# Allegro board 6089-103-RevB_76.brd (continued)
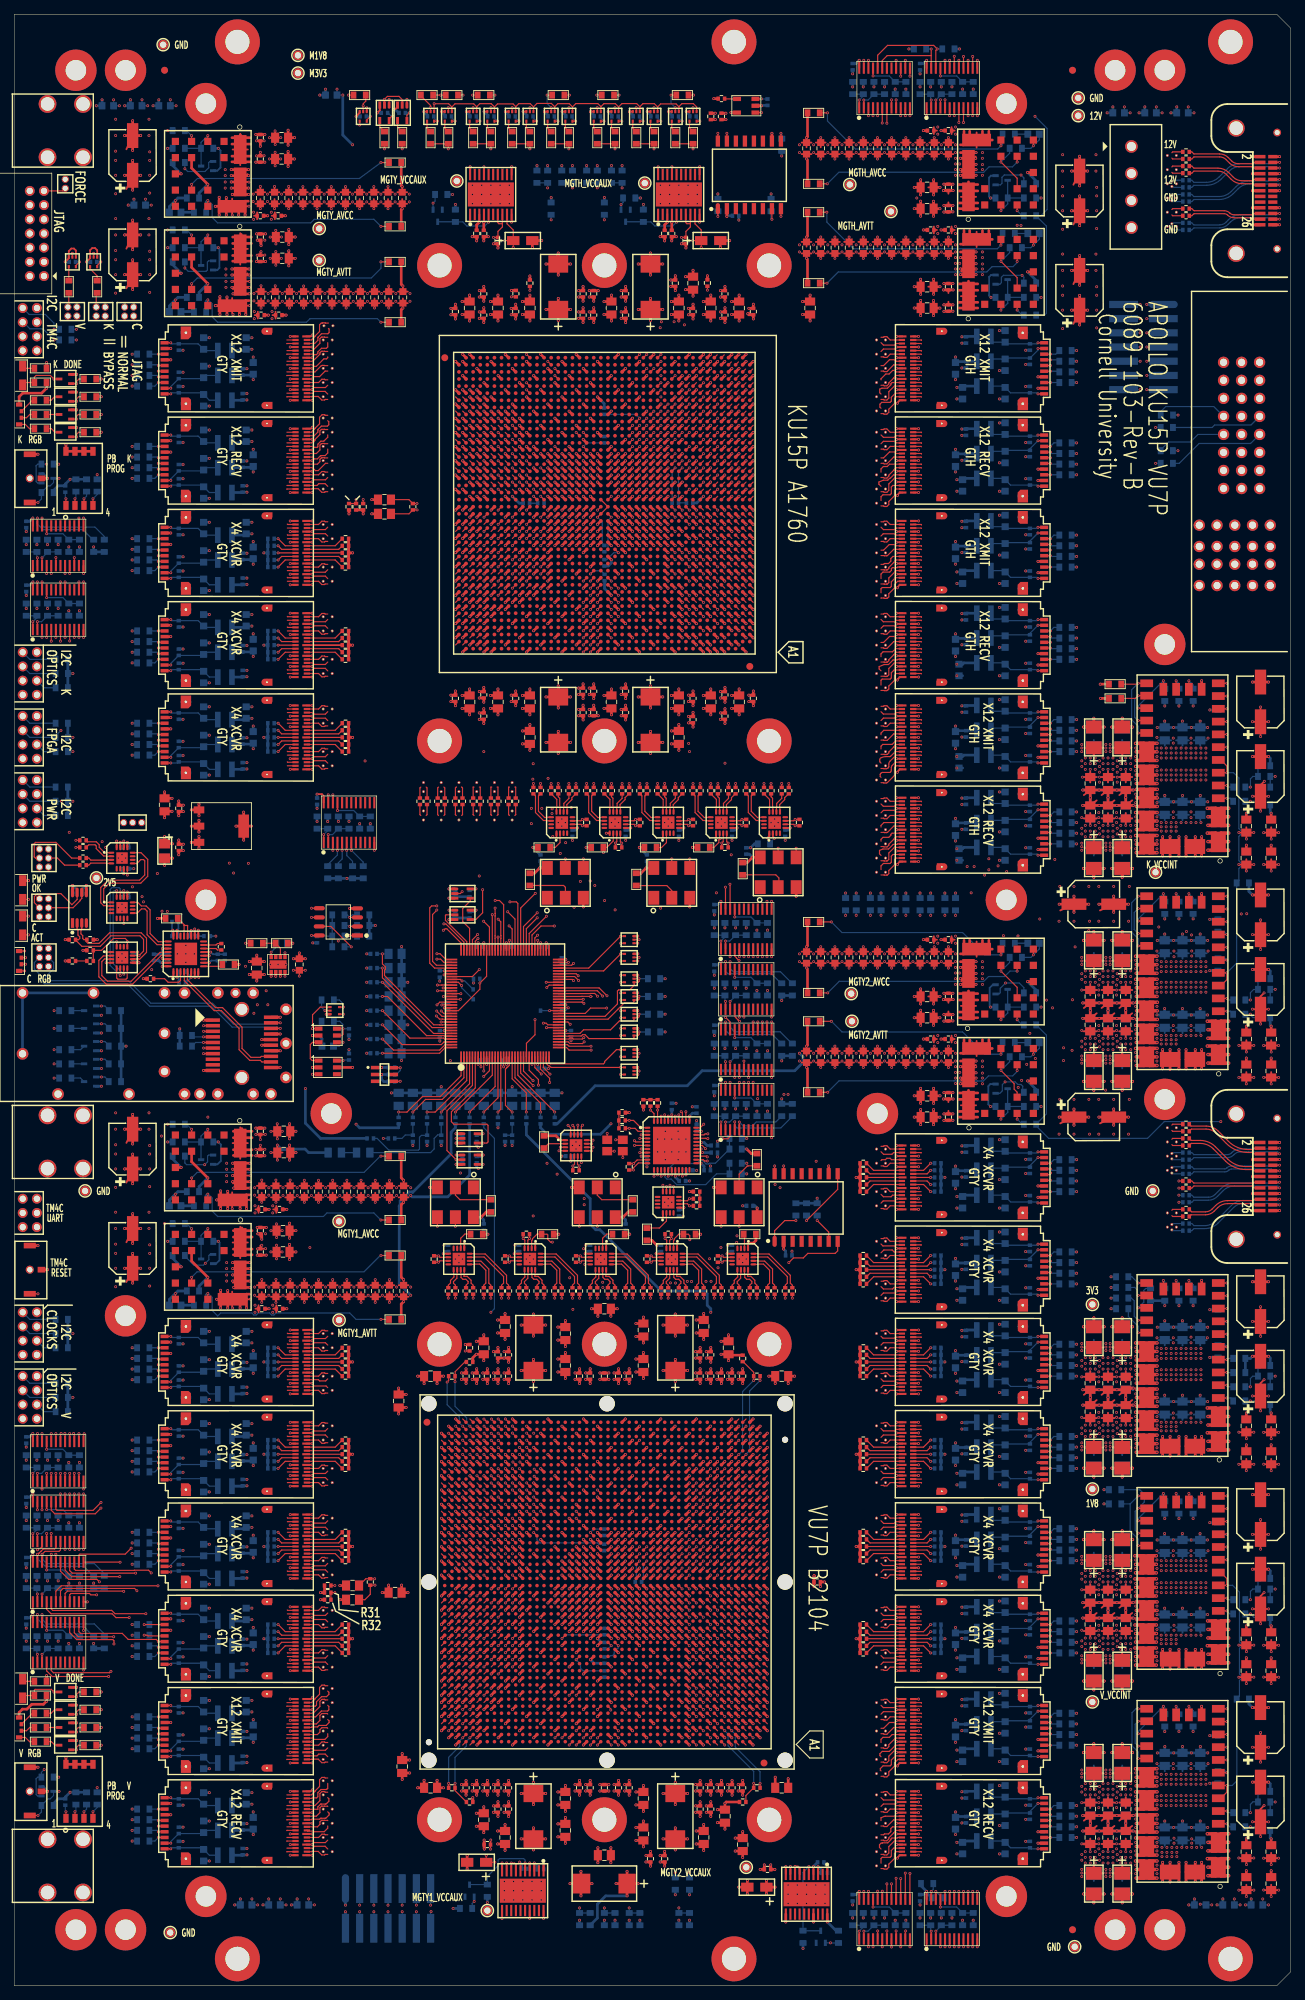
[diagram p0: board, top side]
## Routing (per net, layer and track width the routed paths; a pad name or vN(x,y) marks a point on that pad's centre or on a via; arc(x,y) is an arc through that point) (continued)
; U13.27 34.45,124.89 ; U13.27 33.69,126.65 ; 44.84,18.52 VA51.4 ; VA51.4 45.25,19.09 ; VA51.4 45.16,18.58 ; VA51.4 45.02,19.31 ; VA51.4 45.25,18.71 ; VA51.4 45.16,19.22 ; VA51.4 45.22,18.9 ; VA51.4 44.84,19.28 ; 163.84,108.9 163.84,109.28 ; 163.84,108.9 164.25,108.71 ; 163.84,108.9 164.16,108.58 ; 163.84,108.9 164.02,109.31 ; 163.84,108.9 164.25,109.09 ; 163.84,108.9 164.16,109.22 ; 163.84,108.9 163.84,108.52 ; 163.84,108.9 164.22,108.9 ; 43.38,83.49 43.56,83.9 ; 43.56,83.9 43.18,83.9 ; 43.56,83.9 43.15,83.71 ; 43.56,83.9 43.56,83.52 ; 43.56,83.9 43.24,84.22 ; 43.56,83.9 43.56,84.28 ; 43.56,83.9 43.15,84.09 ; 43.56,83.9 43.24,83.58 ; 121.18,24.9 VA132.4 ; VA132.4 121.24,25.22 ; VA132.4 121.56,24.52 ; VA132.4 121.56,25.28 ; VA132.4 121.38,24.49 ; VA132.4 121.15,25.09 ; VA132.4 121.24,24.58 ; VA132.4 121.15,24.71 ; VA5.4 45.16,224.22 ; VA5.4 45.22,223.9 ; VA5.4 44.84,224.28 ; VA5.4 45.25,223.71 ; VA5.4 44.84,223.52 ; VA5.4 45.25,224.09 ; VA5.4 45.16,223.58 ; VA5.4 45.02,224.31 ; VA6.4 45.25,220.71 ; VA6.4 44.84,220.52 ; VA6.4 45.02,221.31 ; VA6.4 45.25,221.09 ; VA6.4 45.22,220.9 ; VA6.4 44.84,221.28 ; VA6.4 45.16,220.58 ; VA6.4 45.16,221.22 ; VA34.3 45.25,59.71 ; VA34.3 45.25,60.09 ; VA34.3 44.84,60.28 ; VA34.3 45.16,60.22 ; VA34.3 45.22,59.9 ; VA34.3 45.16,59.58 ; VA34.3 45.02,60.31 ; VA34.3 44.84,59.52 ; J6.1 1.2,111.78 ; J6.1 1.87,111.57 ; J6.1 2.08,110.9 ; J6.1 1.87,110.23 ; J6.1 2.07,110.52 ; J6.1 1.2,110.02 ; J6.1 2.07,111.28 ; J6.1 1.58,111.77 ; 23.49,80.62 U26.G1 ; U26.G1 23.81,78.97 ; U26.G1 23.49,79.18 ; U26.G1 24.93,80.62 ; U26.G1 24.93,79.18 ; U26.G1 24.21,80.84 ; U26.G1 25.15,79.9 ; U26.G1 24.21,78.96 ; 121.38,16.49 VA136.4 ; VA136.4 121.56,17.28 ; VA136.4 121.24,16.58 ; VA136.4 121.56,16.52 ; VA136.4 121.15,16.71 ; VA136.4 121.24,17.22 ; VA136.4 121.15,17.09 ; VA136.4 121.18,16.9 ; J1.3 4.2,243.78 ; J1.3 4.87,243.57 ; J1.3 4.2,242.02 ; J1.3 3.53,242.23 ; J1.3 4.87,242.23 ; J1.3 3.53,243.57 ; J1.3 3.32,242.9 ; J1.3 5.08,242.9 ; VA73.3 122.83,215.28 ; VA73.3 122.83,214.52 ; VA73.3 123.22,214.9 ; VA73.3 123.16,215.22 ; VA73.3 123.25,214.71 ; VA73.3 123.02,215.31 ; VA73.3 123.16,214.58 ; VA73.3 123.25,215.09 ; 121.56,31.52 VA129.4 ; VA129.4 121.15,31.71 ; VA129.4 121.24,32.22 ; VA129.4 121.56,32.28 ; VA129.4 121.24,31.58 ; VA129.4 121.38,31.49 ; VA129.4 121.15,32.09 ; VA129.4 121.18,31.9 ; 163.84,257.9 163.84,258.28 ; 163.84,257.9 164.16,257.58 ; 163.84,257.9 164.25,258.09 ; 163.84,257.9 164.16,258.22 ; 163.84,257.9 164.22,257.9 ; 163.84,257.9 164.02,258.31 ; 163.84,257.9 163.84,257.52 ; 163.84,257.9 164.25,257.71 ; VA82.3 123.16,195.58 ; VA82.3 123.25,195.71 ; VA82.3 122.83,196.28 ; VA82.3 122.83,195.52 ; VA82.3 123.16,196.22 ; VA82.3 123.25,196.09 ; VA82.3 123.22,195.9 ; VA82.3 123.02,196.31 ; 121.15,204.09 VA78.4 ; VA78.4 121.56,203.52 ; VA78.4 121.38,203.49 ; VA78.4 121.24,203.58 ; VA78.4 121.24,204.22 ; VA78.4 121.18,203.9 ; VA78.4 121.56,204.28 ; VA78.4 121.15,203.71 ; 121.15,103.09 VA106.3 ; VA106.3 121.56,103.28 ; VA106.3 121.38,102.49 ; VA106.3 121.24,102.58 ; VA106.3 121.24,103.22 ; VA106.3 121.18,102.9 ; VA106.3 121.15,102.71 ; VA106.3 121.56,102.52 ; VA107.3 123.25,99.09 ; VA107.3 122.83,98.52 ; VA107.3 123.16,98.58 ; VA107.3 123.02,99.31 ; VA107.3 123.25,98.71 ; VA107.3 123.22,98.9 ; VA107.3 122.83,99.28 ; VA107.3 123.16,99.22 ; VA21.4 45.25,178.09 ; VA21.4 45.22,177.9 ; VA21.4 44.84,178.28 ; VA21.4 45.16,178.22 ; VA21.4 45.02,178.31 ; VA21.4 45.16,177.58 ; VA21.4 45.25,177.71 ; VA21.4 44.84,177.52 ; 141.47,194.62 U107.G2 ; U107.G2 141.79,192.97 ; U107.G2 142.91,194.62 ; U107.G2 141.25,193.9 ; U107.G2 142.91,193.18 ; U107.G2 141.47,193.18 ; U107.G2 142.19,194.84 ; U107.G2 142.19,192.96 ; VA124.3 123.25,44.71 ; VA124.3 122.83,44.52 ; VA124.3 122.83,45.28 ; VA124.3 123.16,45.22 ; VA124.3 123.02,45.31 ; VA124.3 123.16,44.58 ; VA124.3 123.22,44.9 ; VA124.3 123.25,45.09 ; 162.56,255.52 VA138.4 ; VA138.4 162.15,255.71 ; VA138.4 162.15,256.09 ; VA138.4 162.24,256.22 ; VA138.4 162.38,255.49 ; VA138.4 162.24,255.58 ; VA138.4 162.18,255.9 ; VA138.4 162.56,256.28 ; VA132.3 123.16,24.58 ; VA132.3 123.22,24.9 ; VA132.3 123.25,25.09 ; VA132.3 123.16,25.22 ; VA132.3 123.25,24.71 ; VA132.3 123.02,25.31 ; VA132.3 122.83,25.28 ; VA132.3 122.83,24.52 ; 141.25,108.9 U110.G1 ; U110.G1 142.91,108.18 ; U110.G1 142.19,109.84 ; U110.G1 141.79,107.97 ; U110.G1 142.19,107.96 ; U110.G1 141.47,108.18 ; U110.G1 142.91,109.62 ; U110.G1 141.47,109.62 ; 163.84,106.9 164.25,107.09 ; 163.84,106.9 164.22,106.9 ; 163.84,106.9 163.84,107.28 ; 163.84,106.9 164.02,107.31 ; 163.84,106.9 164.25,106.71 ; 163.84,106.9 164.16,107.22 ; 163.84,106.9 164.16,106.58 ; 163.84,106.9 163.84,106.52 ; VA18.3 45.25,186.71 ; VA18.3 45.25,187.09 ; VA18.3 45.16,186.58 ; VA18.3 44.84,186.52 ; VA18.3 45.16,187.22 ; VA18.3 44.84,187.28 ; VA18.3 45.22,186.9 ; VA18.3 45.02,187.31 ; P1.P2-4 175.31,205.06 ; P1.P2-4 174.57,206.78 ; P1.P2-4 173.83,206.54 ; P1.P2-4 175.31,206.54 ; P1.P2-4 173.59,205.8 ; P1.P2-4 175.55,205.8 ; P1.P2-4 173.83,205.06 ; P1.P2-4 174.57,204.82 ; 141.47,79.18 U113.G2 ; U113.G2 142.91,80.62 ; U113.G2 141.79,78.97 ; U113.G2 142.19,78.96 ; U113.G2 141.25,79.9 ; U113.G2 142.91,79.18 ; U113.G2 142.19,80.84 ; U113.G2 141.47,80.62 ; 2.32,172.9 J4.8 ; J4.8 3.2,173.78 ; J4.8 4.08,172.9 ; J4.8 2.53,173.57 ; J4.8 3.87,173.57 ; J4.8 3.87,172.23 ; J4.8 3.2,172.02 ; J4.8 2.53,172.23 ; 43.24,47.22 43.56,46.9 ; 43.56,46.9 43.38,46.49 ; 43.56,46.9 43.24,46.58 ; 43.56,46.9 43.15,46.71 ; 43.56,46.9 43.18,46.9 ; 43.56,46.9 43.15,47.09 ; 43.56,46.9 43.56,46.52 ; 43.56,46.9 43.56,47.28 ; VA106.4 123.25,103.09 ; VA106.4 123.22,102.9 ; VA106.4 123.16,102.58 ; VA106.4 122.83,102.52 ; VA106.4 123.02,103.31 ; VA106.4 122.83,103.28 ; VA106.4 123.25,102.71 ; VA106.4 123.16,103.22 ; VA11.4 45.02,211.31 ; VA11.4 44.84,211.28 ; VA11.4 45.25,211.09 ; VA11.4 45.22,210.9 ; VA11.4 44.84,210.52 ; VA11.4 45.16,210.58 ; VA11.4 45.25,210.71 ; VA11.4 45.16,211.22 ; 43.15,215.09 43.56,214.9 ; 43.56,214.9 43.56,214.52 ; 43.56,214.9 43.24,214.58 ; 43.56,214.9 43.38,214.49 ; 43.56,214.9 43.15,214.71 ; 43.56,214.9 43.56,215.28 ; 43.56,214.9 43.18,214.9 ; 43.56,214.9 43.24,215.22 ; VA72.3 123.16,216.58 ; VA72.3 123.16,217.22 ; VA72.3 123.25,216.71 ; VA72.3 122.83,216.52 ; VA72.3 122.83,217.28 ; VA72.3 123.22,216.9 ; VA72.3 123.02,217.31 ; VA72.3 123.25,217.09 ; 23.25,126.41 U13.30 ; U13.30 23.01,125.65 ; U13.30 25.02,125.65 ; U13.30 24.01,126.65 ; U13.30 24.77,126.41 ; U13.30 23.25,124.89 ; U13.30 24.01,124.65 ; U13.30 24.77,124.89 ; VA93.3 123.16,171.58 ; VA93.3 122.83,171.52 ; VA93.3 123.25,172.09 ; VA93.3 123.02,172.31 ; VA93.3 123.22,171.9 ; VA93.3 123.16,172.22 ; VA93.3 123.25,171.71 ; VA93.3 122.83,172.28 ; 24.21,208.96 U21.G2 ; U21.G2 25.15,209.9 ; U21.G2 23.49,209.18 ; U21.G2 23.49,210.62 ; U21.G2 24.21,210.84 ; U21.G2 24.93,209.18 ; U21.G2 24.93,210.62 ; U21.G2 23.81,208.97 ; 23.01,139.9 U13.39 ; U13.39 23.25,140.66 ; U13.39 24.77,140.66 ; U13.39 25.02,139.9 ; U13.39 24.01,140.9 ; U13.39 24.77,139.14 ; U13.39 24.01,138.9 ; U13.39 23.25,139.14 ; VA125.3 123.25,39.71 ; VA125.3 123.02,40.31 ; VA125.3 122.83,40.28 ; VA125.3 123.16,40.22 ; VA125.3 123.25,40.09 ; VA125.3 122.83,39.52 ; VA125.3 123.22,39.9 ; VA125.3 123.16,39.58 ; 121.24,213.22 VA74.4 ; VA74.4 121.15,213.09 ; VA74.4 121.15,212.71 ; VA74.4 121.18,212.9 ; VA74.4 121.24,212.58 ; VA74.4 121.56,213.28 ; VA74.4 121.38,212.49 ; VA74.4 121.56,212.52 ; 20.52,139.23 U13.38 ; U13.38 22.07,139.9 ; U13.38 20.52,140.57 ; U13.38 21.86,140.57 ; U13.38 21.86,139.23 ; U13.38 21.19,140.78 ; U13.38 20.32,139.9 ; U13.38 21.19,139.02 ; P1.9 173.77,211.71 ; P1.9 174.01,210.97 ; P1.9 173.03,211.95 ; P1.9 172.05,210.97 ; P1.9 173.77,210.23 ; P1.9 173.03,209.99 ; P1.9 172.29,210.23 ; P1.9 172.29,211.71 ; 43.15,213.09 43.56,212.9 ; 43.56,212.9 43.56,212.52 ; 43.56,212.9 43.18,212.9 ; 43.56,212.9 43.24,213.22 ; 43.56,212.9 43.15,212.71 ; 43.56,212.9 43.56,213.28 ; 43.56,212.9 43.24,212.58 ; 43.56,212.9 43.38,212.49 ; 20.52,134.88 U13.36 ; U13.36 21.19,135.09 ; U13.36 21.86,133.54 ; U13.36 22.07,134.21 ; U13.36 20.52,133.54 ; U13.36 21.86,134.88 ; U13.36 21.19,133.33 ; U13.36 20.32,134.21 ; 44.84,50.52 VA37.4 ; VA37.4 45.16,50.58 ; VA37.4 45.25,51.09 ; VA37.4 44.84,51.28 ; VA37.4 45.02,51.31 ; VA37.4 45.22,50.9 ; VA37.4 45.25,50.71 ; VA37.4 45.16,51.22 ; VA62.4 67.7,165.92 ; VA62.4 68.08,165.53 ; VA62.4 68.11,165.72 ; VA62.4 67.38,165.86 ; VA62.4 67.89,165.95 ; VA62.4 67.32,165.53 ; VA62.4 68.02,165.86 ; VA62.4 67.29,165.72 ; 121.15,33.71 VA128.4 ; VA128.4 121.15,34.09 ; VA128.4 121.24,34.22 ; VA128.4 121.18,33.9 ; VA128.4 121.24,33.58 ; VA128.4 121.56,34.28 ; VA128.4 121.38,33.49 ; VA128.4 121.56,33.52 ; U115.G2 142.19,54.84 ; U115.G2 142.19,52.96 ; U115.G2 142.91,53.18 ; U115.G2 141.47,54.62 ; U115.G2 141.79,52.97 ; U115.G2 142.91,54.62 ; U115.G2 141.47,53.18 ; U115.G2 141.25,53.9 ; 121.24,176.22 VA91.4 ; VA91.4 121.24,175.58 ; VA91.4 121.15,175.71 ; VA91.4 121.18,175.9 ; VA91.4 121.56,176.28 ; VA91.4 121.38,175.49 ; VA91.4 121.15,176.09 ; VA91.4 121.56,175.52 ; U13.29 26.87,124.98 ; U13.29 25.53,126.32 ; U13.29 25.53,124.98 ; U13.29 25.32,125.65 ; U13.29 27.07,125.65 ; U13.29 26.87,126.32 ; U13.29 26.2,126.53 ; U13.29 26.2,124.77 ; VA24.4 45.25,92.09 ; VA24.4 45.22,91.9 ; VA24.4 44.84,92.28 ; VA24.4 45.25,91.71 ; VA24.4 45.16,91.58 ; VA24.4 45.02,92.31 ; VA24.4 44.84,91.52 ; VA24.4 45.16,92.22 ; 43.15,199.71 43.56,199.9 ; 43.56,199.9 43.15,200.09 ; 43.56,199.9 43.56,200.28 ; 43.56,199.9 43.38,199.49 ; 43.56,199.9 43.24,199.58 ; 43.56,199.9 43.24,200.22 ; 43.56,199.9 43.56,199.52 ; 43.56,199.9 43.18,199.9 ; 20.33,274.17 PM21.1 ; PM21.1 21,274.38 ; PM21.1 20.12,273.5 ; PM21.1 21,272.62 ; PM21.1 21.88,273.5 ; PM21.1 21.67,274.17 ; PM21.1 21.67,272.83 ; PM21.1 20.33,272.83 ; 163.84,116.9 164.02,117.31 ; 163.84,116.9 164.16,116.58 ; 163.84,116.9 163.84,116.52 ; 163.84,116.9 163.84,117.28 ; 163.84,116.9 164.16,117.22 ; 163.84,116.9 164.25,117.09 ; 163.84,116.9 164.22,116.9 ; 163.84,116.9 164.25,116.71 ; 43.24,70.58 43.56,70.9 ; 43.56,70.9 43.24,71.22 ; 43.56,70.9 43.38,70.49 ; 43.56,70.9 43.18,70.9 ; 43.56,70.9 43.56,71.28 ; 43.56,70.9 43.15,70.71 ; 43.56,70.9 43.56,70.52 ; 43.56,70.9 43.15,71.09 ; 43.56,223.9 43.56,224.28 ; 43.56,223.9 43.24,224.22 ; 43.56,223.9 43.56,223.52 ; 43.56,223.9 43.24,223.58 ; 43.56,223.9 43.15,223.71 ; 43.56,223.9 43.18,223.9 ; 43.56,223.9 43.38,223.49 ; 43.56,223.9 43.15,224.09 ; VA42.4 45.16,38.22 ; VA42.4 44.84,37.52 ; VA42.4 44.84,38.28 ; VA42.4 45.22,37.9 ; VA42.4 45.25,38.09 ; VA42.4 45.16,37.58 ; VA42.4 45.25,37.71 ; VA42.4 45.02,38.31 ; 122.83,221.52 VA70.3 ; VA70.3 123.16,221.58 ; VA70.3 123.25,221.71 ; VA70.3 123.25,222.09 ; VA70.3 123.22,221.9 ; VA70.3 123.16,222.22 ; VA70.3 122.83,222.28 ; VA70.3 123.02,222.31 ; 162.24,107.22 VA148.4 ; VA148.4 162.18,106.9 ; VA148.4 162.15,107.09 ; VA148.4 162.56,107.28 ; VA148.4 162.56,106.52 ; VA148.4 162.15,106.71 ; VA148.4 162.24,106.58 ; VA148.4 162.38,106.49 ; U13.23 38.31,138.59 ; U13.23 37.55,138.35 ; U13.23 37.55,136.83 ; U13.23 38.31,136.59 ; U13.23 37.31,137.59 ; U13.23 39.07,138.35 ; U13.23 39.07,136.83 ; U13.23 39.32,137.59 ; 44.84,231.52 VA1.4 ; VA1.4 45.25,232.09 ; VA1.4 45.16,231.58 ; VA1.4 44.84,232.28 ; VA1.4 45.25,231.71 ; VA1.4 45.22,231.9 ; VA1.4 45.02,232.31 ; VA1.4 45.16,232.22 ; J1.7 5.08,246.9 ; J1.7 3.53,246.23 ; J1.7 4.2,246.02 ; J1.7 4.2,247.78 ; J1.7 3.32,246.9 ; J1.7 4.87,247.57 ; J1.7 3.53,247.57 ; J1.7 4.87,246.23 ; U21.G1 24.93,220.62 ; U21.G1 23.49,220.62 ; U21.G1 25.15,219.9 ; U21.G1 23.81,218.97 ; U21.G1 24.21,218.96 ; U21.G1 23.49,219.18 ; U21.G1 24.21,220.84 ; U21.G1 24.93,219.18 ; 44.94,233.9 45.26,233.58 ; 44.94,233.9 45.35,233.71 ; 44.94,233.9 45.12,234.31 ; 44.94,233.9 44.94,234.28 ; 44.94,233.9 45.35,234.09 ; 44.94,233.9 44.94,233.52 ; 44.94,233.9 45.26,234.22 ; 44.94,233.9 45.32,233.9 ; VA113.4 123.16,78.58 ; VA113.4 123.25,78.71 ; VA113.4 123.02,79.31 ; VA113.4 123.25,79.09 ; VA113.4 123.16,79.22 ; VA113.4 122.83,79.28 ; VA113.4 122.83,78.52 ; VA113.4 123.22,78.9 ; U104.G2 142.19,233.84 ; U104.G2 141.47,233.62 ; U104.G2 142.91,232.18 ; U104.G2 142.19,231.96 ; U104.G2 141.25,232.9 ; U104.G2 141.79,231.97 ; U104.G2 141.47,232.18 ; U104.G2 142.91,233.62 ; 142.19,208.96 U105.G1 ; U105.G1 141.47,209.18 ; U105.G1 141.25,209.9 ; U105.G1 142.91,210.62 ; U105.G1 141.79,208.97 ; U105.G1 142.19,210.84 ; U105.G1 142.91,209.18 ; U105.G1 141.47,210.62 ; 121.15,98.71 VA107.4 ; VA107.4 121.15,99.09 ; VA107.4 121.56,99.28 ; VA107.4 121.24,98.58 ; VA107.4 121.24,99.22 ; VA107.4 121.38,98.49 ; VA107.4 121.18,98.9 ; VA107.4 121.56,98.52 ; 43.24,52.58 43.56,52.9 ; 43.56,52.9 43.38,52.49 ; 43.56,52.9 43.18,52.9 ; 43.56,52.9 43.56,52.52 ; 43.56,52.9 43.15,53.09 ; 43.56,52.9 43.24,53.22 ; 43.56,52.9 43.15,52.71 ; 43.56,52.9 43.56,53.28 ; 44.84,197.52 VA15.3 ; VA15.3 45.02,198.31 ; VA15.3 45.25,197.71 ; VA15.3 45.16,198.22 ; VA15.3 45.22,197.9 ; VA15.3 45.25,198.09 ; VA15.3 45.16,197.58 ; VA15.3 44.84,198.28 ; 121.38,162.49 VA97.4 ; VA97.4 121.15,162.71 ; VA97.4 121.15,163.09 ; VA97.4 121.56,162.52 ; VA97.4 121.56,163.28 ; VA97.4 121.24,163.22 ; VA97.4 121.18,162.9 ; VA97.4 121.24,162.58 ; 121.38,85.49 VA111.4 ; VA111.4 121.24,85.58 ; VA111.4 121.15,85.71 ; VA111.4 121.56,85.52 ; VA111.4 121.56,86.28 ; VA111.4 121.18,85.9 ; VA111.4 121.24,86.22 ; VA111.4 121.15,86.09 ; 121.56,201.52 VA79.4 ; VA79.4 121.56,202.28 ; VA79.4 121.15,202.09 ; VA79.4 121.24,202.22 ; VA79.4 121.24,201.58 ; VA79.4 121.15,201.71 ; VA79.4 121.18,201.9 ; VA79.4 121.38,201.49 ; 141.47,207.62 U106.G2 ; U106.G2 142.19,207.84 ; U106.G2 142.91,207.62 ; U106.G2 141.25,206.9 ; U106.G2 142.19,205.96 ; U106.G2 141.79,205.97 ; U106.G2 141.47,206.18 ; U106.G2 142.91,206.18 ; 2.53,163.23 J5.8 ; J5.8 3.87,163.23 ; J5.8 2.53,164.57 ; J5.8 3.2,163.02 ; J5.8 3.2,164.78 ; J5.8 2.32,163.9 ; J5.8 4.08,163.9 ; J5.8 3.87,164.57 ; VA135.4 121.56,19.28 ; VA135.4 121.24,18.58 ; VA135.4 121.18,18.9 ; VA135.4 121.24,19.22 ; VA135.4 121.38,18.49 ; VA135.4 121.15,19.09 ; VA135.4 121.56,18.52 ; VA135.4 121.15,18.71 ; 57.38,167.94 57.7,168.26 ; 57.7,168.26 58.11,168.08 ; 57.7,168.26 58.02,167.94 ; 57.7,168.26 57.29,168.08 ; 57.7,168.26 58.08,168.26 ; 57.7,168.26 57.51,167.85 ; 57.7,168.26 57.7,167.88 ; 57.7,168.26 57.32,168.26 ; VA84.3 123.16,190.58 ; VA84.3 122.83,190.52 ; VA84.3 123.25,191.09 ; VA84.3 123.16,191.22 ; VA84.3 123.22,190.9 ; VA84.3 123.25,190.71 ; VA84.3 123.02,191.31 ; VA84.3 122.83,191.28 ; 43.15,218.71 43.56,218.9 ; 43.56,218.9 43.56,218.52 ; 43.56,218.9 43.38,218.49 ; 43.56,218.9 43.24,219.22 ; 43.56,218.9 43.18,218.9 ; 43.56,218.9 43.15,219.09 ; 43.56,218.9 43.56,219.28 ; 43.56,218.9 43.24,218.58 ; 121.24,210.58 VA75.4 ; VA75.4 121.18,210.9 ; VA75.4 121.56,210.52 ; VA75.4 121.56,211.28 ; VA75.4 121.15,211.09 ; VA75.4 121.24,211.22 ; VA75.4 121.38,210.49 ; VA75.4 121.15,210.71 ; 121.56,208.52 VA76.4 ; VA76.4 121.15,208.71 ; VA76.4 121.18,208.9 ; VA76.4 121.15,209.09 ; VA76.4 121.38,208.49 ; VA76.4 121.24,209.22 ; VA76.4 121.24,208.58 ; VA76.4 121.56,209.28 ; U13.25 39.07,127.23 ; U13.25 37.55,127.23 ; U13.25 37.31,127.99 ; U13.25 38.31,126.98 ; U13.25 38.31,128.99 ; U13.25 39.07,128.75 ; U13.25 39.32,127.99 ; U13.25 37.55,128.75 ; VA87.3 123.25,184.71 ; VA87.3 122.83,185.28 ; VA87.3 123.16,185.22 ; VA87.3 123.22,184.9 ; VA87.3 123.25,185.09 ; VA87.3 123.16,184.58 ; VA87.3 122.83,184.52 ; VA87.3 123.02,185.31 ; 23.49,83.62 U25.G2 ; U25.G2 24.93,83.62 ; U25.G2 23.49,82.18 ; U25.G2 24.21,81.96 ; U25.G2 23.81,81.97 ; U25.G2 24.93,82.18 ; U25.G2 25.15,82.9 ; U25.G2 24.21,83.84 ; 43.56,57.9 43.56,58.28 ; 43.56,57.9 43.24,58.22 ; 43.56,57.9 43.56,57.52 ; 43.56,57.9 43.18,57.9 ; 43.56,57.9 43.15,58.09 ; 43.56,57.9 43.24,57.58 ; 43.56,57.9 43.15,57.71 ; 43.56,57.9 43.38,57.49 ; VA74.3 122.83,213.28 ; VA74.3 123.25,212.71 ; VA74.3 123.16,212.58 ; VA74.3 122.83,212.52 ; VA74.3 123.02,213.31 ; VA74.3 123.16,213.22 ; VA74.3 123.25,213.09 ; VA74.3 123.22,212.9